# Allegro board 6089-119-RevA_41.brd (continued)
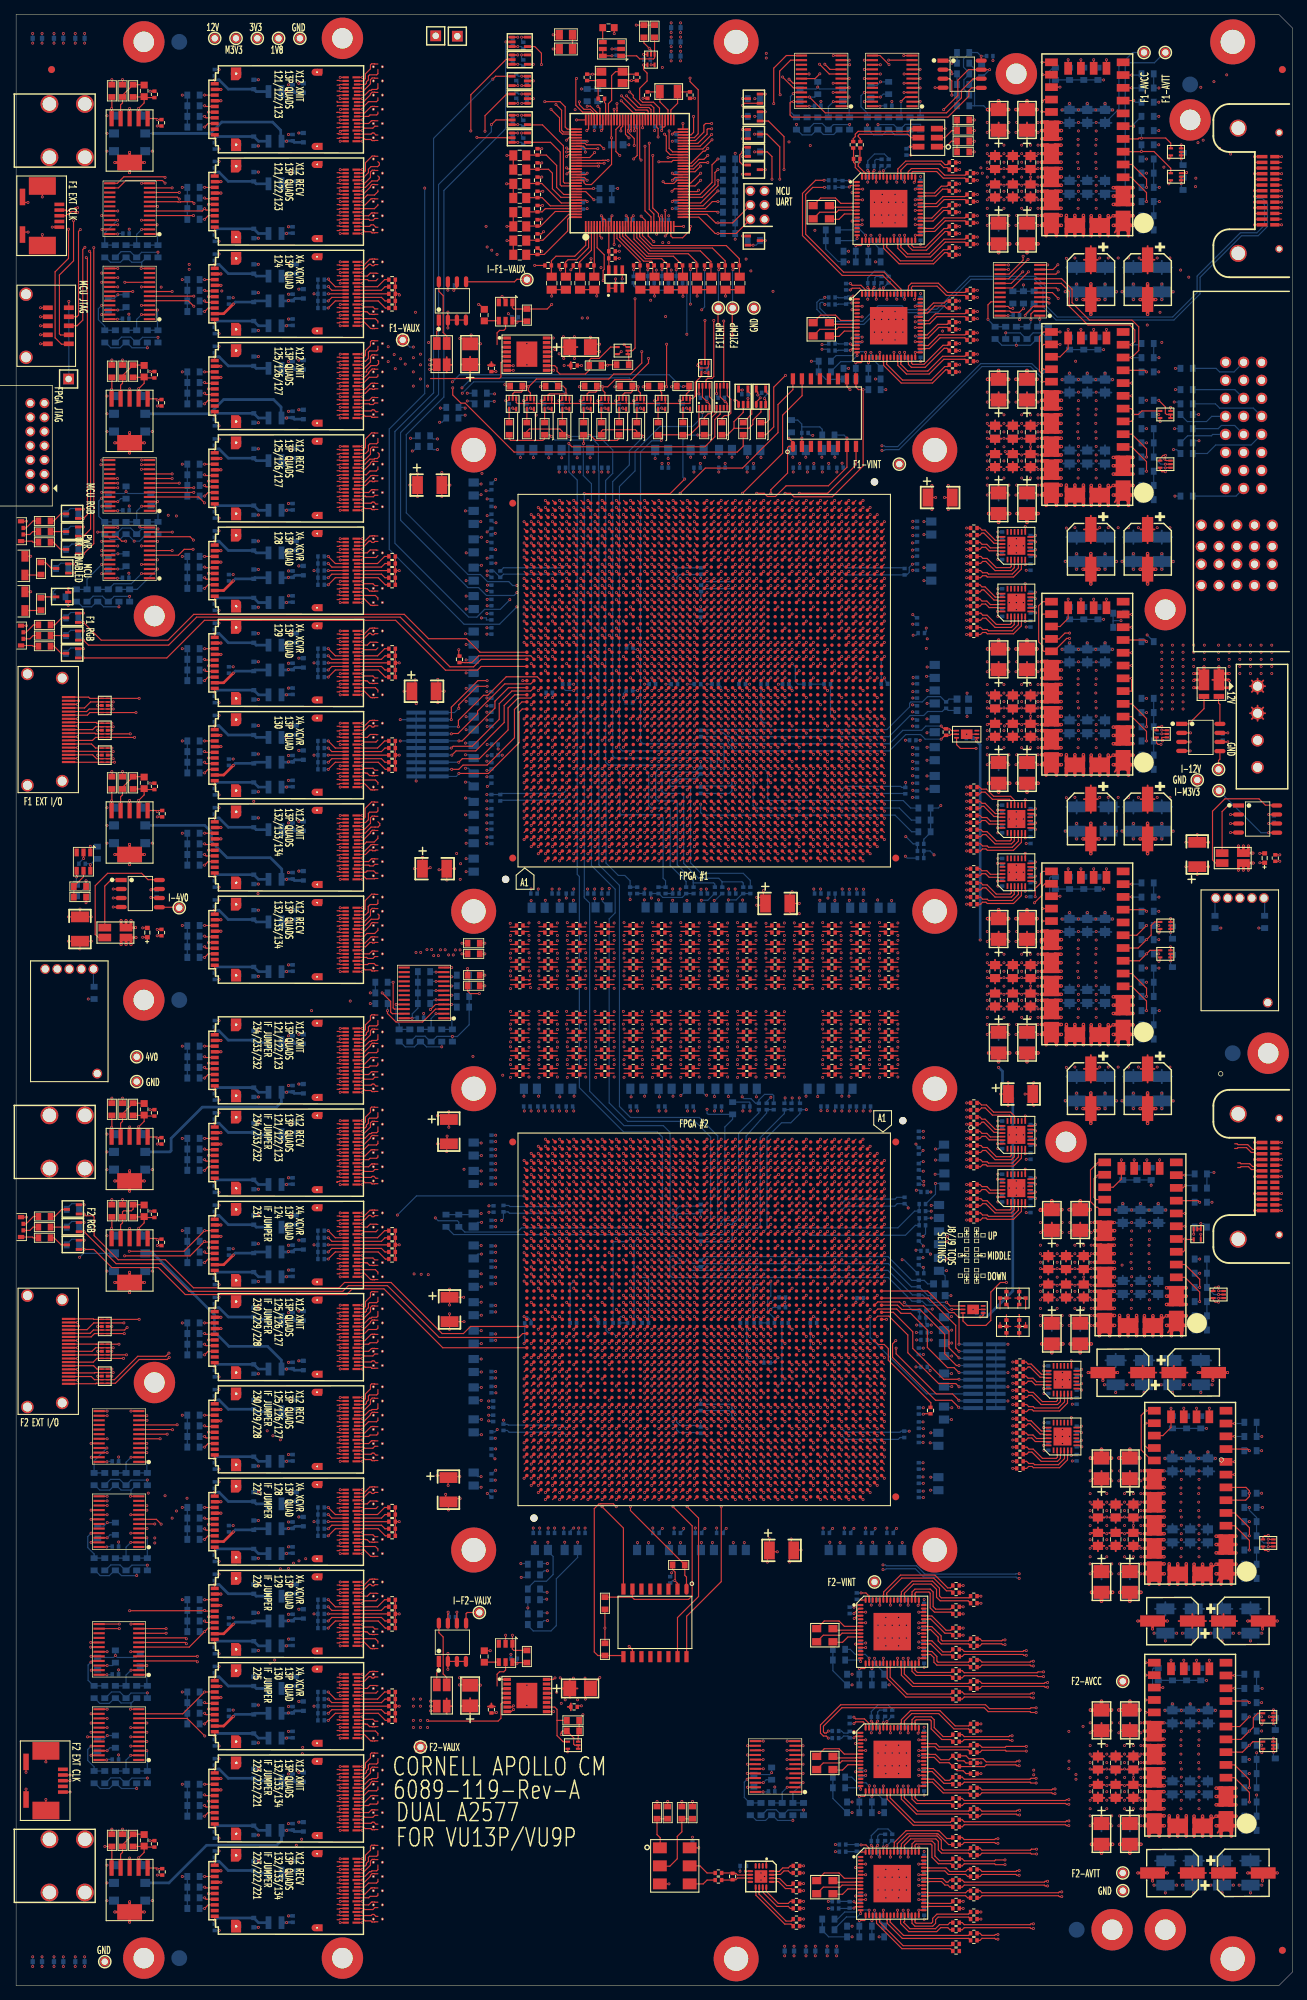
[diagram p0: board, top side]
## Routing (per net, layer and track width the routed paths; a pad name or vN(x,y) marks a point on that pad's centre or on a via; arc(x,y) is an arc through that point) (continued)
  BOTTOM w0.165: R273.1 v1(143.68,194.35)
AC_NF1L_X4_R0B: length 50.4
  TOP w0.165: U97.12 143.41,196.15 143.61,196.35 v1(143.68,196.35) ; C310.2 v1(133.01,233.4)
  SIG4 w0.083: v1(133.01,233.4) 133.01,233.68 132.9,233.79 132.34,233.79 132.11,233.56 132.11,233.14 132.54,232.71 133.26,232.71 134.31,233.76 135.59,233.76 139.21,230.14 139.21,227.21 138.61,226.61 138.61,212.44 139.1,211.95 139.1,199.45 142.55,196 143.6,196 143.68,196.09 v1(143.68,196.35)
  BOTTOM w0.165: R272.1 v1(143.68,196.35)
AC_NF1L_X12_R0_CLK: length 68.9
  TOP w0.165: U75.P34 v1(84.61,192.29) ; C365.2 v1(133.99,205.4)
  SIG3 w0.083: v1(133.99,205.4) 133.64,205.05 132.95,205.05 131.81,203.91 82.41,203.91 81.99,203.49 81.99,192.9 82.2,192.69 84.91,192.69 84.99,192.61 84.99,192.08 84.81,191.9 84.69,191.9 84.61,191.98 v1(84.61,192.29)
AC_NF1L_X12_R0A: length 55.1
  TOP w0.165: U96.8 143.41,202.15 143.61,202.35 v1(143.7,202.35) ; C304.2 v1(133.01,246.9)
  SIG1 w0.083: v1(133.01,246.9) 133.01,247.21 133.09,247.3 133.29,247.3 133.35,247.35 135.9,247.35 138.89,244.36 138.89,222.71 140.3,221.3 140.3,209.51 144.45,205.35 144.45,202.35 144.1,202 143.78,202 143.7,202.09 v1(143.7,202.35)
  BOTTOM w0.165: R271.1 v1(143.7,202.35)
AC_NF1L_X12_R0B: length 39.6
  TOP w0.165: U96.12 143.41,204.15 143.61,204.35 v1(143.7,204.35) ; C360.2 v1(135.51,234.9)
  SIG4 w0.083: v1(135.51,234.9) 135.27,235.14 134.94,235.14 134.86,235.06 134.86,234.64 135.09,234.41 136.79,234.41 140.61,230.59 140.61,226.52 140.59,226.5 140.59,226.22 140.61,226.2 140.61,223.3 140.6,223.29 140.6,223.01 140.61,223 140.61,222.99 140.81,222.79 140.81,211.7 140.7,211.59 140.7,211.31 140.81,211.2 140.81,210.4 140.6,210.19 140.6,209.91 140.81,209.7 140.81,207.65 140.74,207.58 140.74,207.3 140.81,207.23 140.81,206.24 143.05,204 143.62,204 143.7,204.09 v1(143.7,204.35)
  BOTTOM w0.165: R270.1 v1(143.7,204.35)
AC_NF1R_R0_B: length 58.3
  TOP w0.165: C395.2 v1(133.99,153.4) ; U75.AM12 v1(103.39,169.51)
  SIG3 w0.083: v1(103.39,169.51) 103.39,169.82 103.31,169.9 103.11,169.9 102.79,170.22 102.79,173.84 103.09,174.13 123.01,174.13 123.04,174.11 126.84,174.11 128,172.95 128,166.75 133.25,161.5 134.49,161.5 134.7,161.29 134.7,159.7 134.24,159.24 133.04,159.24 132.15,158.35 132.15,154.1 133.3,152.95 133.54,152.95 v1(133.99,153.4)
AC_NF1R_R0_E: length 61
  TOP w0.165: U75.AA10 v1(91.61,167.51) ; C387.2 v1(133.99,162.9)
  SIG3 w0.083: v1(133.99,162.9) 133.55,162.46 133.34,162.46 129,166.8 129,173.1 126.96,175.14 91.39,175.14 91.05,174.8 91.05,168.18 91.32,167.9 91.53,167.9 91.61,167.82 v1(91.61,167.51)
AC_NF1R_R0_F: length 63.4
  TOP w0.165: U75.W10 v1(89.61,167.51) ; C385.2 v1(133.99,164.9)
  SIG3 w0.083: v1(133.99,164.9) 133.6,164.5 133.19,164.5 130,167.7 130,173.9 127.79,176.11 122.91,176.11 122.9,176.1 89.4,176.1 89,175.7 89,168.23 89.32,167.9 89.53,167.9 89.61,167.82 v1(89.61,167.51)
AC_NF1R_R0_G: length 81.9
  TOP w0.165: U75.U10 v1(87.61,167.51) ; C393.2 v1(133.99,155.4)
  SIG3 w0.083: v1(87.61,167.51) 87.61,167.82 87.53,167.9 87.32,167.9 87,168.23 87,176.8 87.31,177.11 122.86,177.11 122.86,177.11 122.95,177.11 123.3,177.11 123.66,177.1 129.75,177.1 130.62,176.23 130.64,176.23 130.98,175.89 130.98,175.87 131,175.85 131,167.75 133.24,165.51 134.84,165.51 135.25,165.1 135.25,159 134.74,158.49 133.39,158.49 132.96,158.06 132.96,155.19 133.2,154.95 133.54,154.95 v1(133.99,155.4)
AC_NF1R_R0_I: length 72.8
  TOP w0.165: U75.N10 v1(83.61,167.51) ; C383.2 v1(133.99,166.9)
  SIG3 w0.083: v1(133.99,166.9) 133.6,166.51 133.19,166.51 132.1,167.6 132.1,176.65 130.61,178.14 86.34,178.14 86,177.8 86,174.37 85.73,174.1 83.3,174.1 83,173.8 83,168.23 83.32,167.9 83.53,167.9 83.61,167.82 v1(83.61,167.51)
AC_NF1R_R0_L: length 214.9
  TOP w0.165: U75.BD12 v1(115.39,169.51) ; C233.2 v1(111.01,11.9)
  SIG2 w0.083: v1(111.01,11.9) 111.01,11.71 110.75,11.45 110.51,11.45 110.3,11.24 110.3,10.75 111.44,9.61 119.29,9.61 119.48,9.8 137.5,9.8 147.11,19.41 147.11,65.39 137.95,74.55 137.95,155.4 126.25,167.1 115.2,167.1 115,167.3 115,169.71 115.19,169.9 115.31,169.9 115.39,169.82 v1(115.39,169.51)
AC_NF1R_R0_N: length 37.1
  TOP w0.165: U75.AY12 v1(111.39,169.51) ; C389.2 v1(133.99,160.9)
  SIG3 w0.083: v1(133.99,160.9) 133.59,160.5 133.3,160.5 127,166.8 127,172.9 126.79,173.11 123.01,173.11 123,173.1 111.1,173.1 110.8,172.8 110.8,170.21 111.11,169.9 111.31,169.9 111.39,169.82 v1(111.39,169.51)
AC_NF1R_R1_B: length 151.8
  TOP w0.165: C320.2 v1(133.51,49.4) ; U75.AL10 v1(102.39,167.51)
  SIG2 w0.083: v1(102.39,167.51) 102.39,167.82 102.31,167.9 102.19,167.9 102.01,167.72 102.01,162.39 102.25,162.15 123.25,162.15 132.01,153.39 132.01,129.09 133.5,127.6 133.5,67.65 138.95,62.2 138.95,52.25 136.5,49.8 133.8,49.8 133.79,49.8 133.59,49.8 133.51,49.71 v1(133.51,49.4)
AC_NF1R_R1_E: length 161.9
  TOP w0.165: U75.Y12 v1(90.61,169.51) ; C318.2 v1(133.51,52.4)
  SIG2 w0.083: v1(133.51,52.4) 133.51,52.71 133.59,52.8 133.79,52.8 133.9,52.9 137.49,52.9 137.7,53.11 137.7,61.05 132.5,66.25 132.5,127.05 128.55,131 128.55,148.65 126,151.2 126,157.99 122.84,161.15 111.56,161.15 111.55,161.14 111.24,161.14 111.22,161.15 109.56,161.15 109.51,161.1 90.53,161.1 90.24,161.39 90.24,169.73 90.41,169.9 90.53,169.9 90.61,169.82 v1(90.61,169.51)
AC_NF1R_R1_G: length 160.6
  TOP w0.165: U75.T12 v1(86.61,169.51) ; C414.2 v1(136.01,53.9)
  SIG2 w0.083: v1(86.61,169.51) 86.61,169.82 86.53,169.9 86.41,169.9 86.21,169.7 86.21,160.34 86.45,160.1 122.89,160.1 125,157.99 125,151.1 127.38,148.72 127.38,125.52 130.61,122.29 130.61,66.19 136.85,59.95 136.85,54.51 136.64,54.3 136.25,54.3 136.01,54.06 v1(136.01,53.9)
AC_NF1R_R1_I: length 162.4
  TOP w0.165: U75.M12 v1(82.61,169.51) ; C316.2 v1(133.51,55.4)
  SIG2 w0.083: v1(82.61,169.51) 82.61,169.82 82.53,169.9 82.41,169.9 82.26,169.75 82.26,161.35 82.26,161.35 82.26,159.34 82.5,159.1 122.89,159.1 124,157.99 124,151.1 125.5,149.6 125.5,134.4 126.6,133.3 126.6,124.95 127.5,124.05 127.5,67.45 134.61,60.34 134.61,56.1 134.31,55.8 133.8,55.8 133.79,55.8 133.59,55.8 133.51,55.71 v1(133.51,55.4)
AC_NF1R_R1_L: length 180.8
  TOP w0.165: U75.BC10 v1(114.39,167.51) ; v1(143.85,18.57) 143.11,18.57 142.99,18.69 136.15,18.69 135.86,18.4 C432.2
  SIG2 w0.083: v1(114.39,167.51) 114.39,167.82 114.31,167.9 114.19,167.9 114,167.71 114,166.3 114.15,166.15 126.18,166.15 136.5,155.83 136.5,130.1 137.25,129.35 137.25,73.1 146,64.35 146,41.65 145.5,41.15 145.5,19.4 144.9,18.81 144.09,18.81 v1(143.85,18.57)
AC_NF1R_R1_N: length 162.9
  TOP w0.165: U75.AW10 v1(110.39,167.51) ; C326.2 133.36,40.4 133.65,40.69 142.94,40.69 143.06,40.57 v1(143.4,40.57)
  SIG2 w0.083: v1(110.39,167.51) 110.39,167.82 110.31,167.9 110.19,167.9 110.01,167.72 110.01,165.39 110.29,165.11 125.64,165.11 133.77,156.98 134.23,156.98 135.46,155.75 135.46,129.89 136.5,128.85 136.5,71.7 144,64.2 144,53.65 144.03,53.62 144.03,44.39 144.03,44.38 144.03,44.08 144.03,44.07 144.03,43.73 144.03,43.72 144.03,43.42 144.03,43.41 144.03,41 143.83,40.8 143.63,40.8 v1(143.4,40.57)
AC_NF1R_X4_R0_CLK: length 82.2
  TOP w0.165: C391.2 v1(133.99,157.4) ; U75.N18 v1(83.61,175.51)
  SIG3 w0.083: v1(83.61,175.51) 83.61,175.82 83.53,175.9 83.25,175.9 83,176.15 83,179.85 83.29,180.14 132.21,180.14 135.96,176.39 135.96,158.7 135.1,157.84 133.69,157.84 133.61,157.76 133.61,157.13 133.69,157.05 133.8,157.05 133.99,157.24 v1(133.99,157.4)
AC_NF1R_X4_R0A: length 105.7
  TOP w0.165: C302.2 v1(133.01,249.9) ; U99.8 143.41,156.15 143.61,156.35 v1(143.68,156.35)
  SIG1 w0.083: v1(133.01,249.9) 133.01,250.21 133.09,250.3 133.29,250.3 133.3,250.3 134.45,250.3 134.85,249.9 136.66,249.9 136.67,249.89 137.13,249.89 137.14,249.9 137.3,249.9 143.49,243.71 143.49,234.36 145.14,232.71 145.14,209.86 145.89,209.11 145.89,193.89 145.44,193.44 145.44,171.84 144.64,171.04 144.64,156.34 144.3,156 144.03,156 v1(143.68,156.35)
  BOTTOM w0.165: R277.1 v1(143.68,156.35)
AC_NF1R_X4_R0B: length 84.8
  TOP w0.165: C312.2 v1(133.01,230.4) ; U99.12 143.41,158.15 143.61,158.35 v1(143.68,158.35)
  SIG4 w0.083: v1(133.01,230.4) 133.01,230.63 132.9,230.74 132.39,230.74 132.21,230.56 132.21,230.04 132.29,229.95 133.8,229.95 134.36,230.51 135.89,230.51 136.37,230.03 136.37,163.43 141.8,158 143.6,158 143.68,158.09 v1(143.68,158.35)
  BOTTOM w0.165: R276.1 v1(143.68,158.35)
AC_NF1R_X12_R0_CLK: length 64.3
  TOP w0.165: U75.R17 v1(85.61,174.51) ; C381.2 v1(133.99,168.9)
  SIG3 w0.083: v1(133.99,168.9) 133.99,168.59 133.9,168.5 133.74,168.5 133,169.24 133,177.3 131.2,179.1 85.3,179.1 85.03,178.83 85.03,175.2 85.32,174.9 85.5,174.9 85.61,174.79 v1(85.61,174.51)
AC_NF1R_X12_R0A: length 89.3
  TOP w0.165: v1(143.7,163.85) 143.61,163.85 143.41,163.65 U98.8 ; C356.2 v1(135.51,245.4)
  SIG1 w0.083: v1(143.7,163.85) 143.7,163.59 143.78,163.5 143.9,163.5 144.09,163.7 144.09,163.96 143.68,164.37 143.28,164.37 137.64,170.01 137.64,244.06 135.9,245.8 135.6,245.8 135.51,245.71 v1(135.51,245.4)
  BOTTOM w0.165: R275.1 v1(143.7,163.85)
AC_NF1R_X12_R0B: length 74.8
  TOP w0.165: v1(143.7,165.85) 143.61,165.85 143.41,165.65 U98.12 ; C362.2 v1(135.51,231.9)
  SIG4 w0.083: v1(143.7,165.85) 143.7,165.59 143.62,165.5 142.75,165.5 137.65,170.6 137.65,230.1 136.44,231.31 135.29,231.31 134.91,231.69 134.91,232.06 135.07,232.22 135.5,232.22 135.51,232.21 v1(135.51,231.9)
  BOTTOM w0.165: R274.1 v1(143.7,165.85)
AC_NF2_TCDS40_CLK: length 126.6
  TOP w0.165: U77.AR16 v1(87.61,104.29) ; C330.2 133.31,30.9 133.32,30.89 136.5,30.89 136.75,31.13 140.94,31.13 141.06,31.01 v1(141.4,31.01)
  SIG4 w0.083: v1(141.4,31.01) 141.63,31.24 141.83,31.24 142.03,31.44 142.03,38.77 142,38.8 142,62.95 130.5,74.45 130.5,94.9 124.49,100.91 88.44,100.91 88.2,101.15 88.2,103.59 87.89,103.9 87.69,103.9 87.61,103.98 v1(87.61,104.29)
AC_NF2_XTAL_200: length 166.4
  TOP w0.165: U77.AU16 v1(85.61,104.29) ; C235.2 v1(111.01,9.4)
  SIG4 w0.083: v1(85.61,104.29) 85.76,104.29 86,104.05 86,100.05 86.35,99.7 123.9,99.7 129.35,94.25 129.35,73.55 140.79,62.11 140.79,21.44 125.56,6.21 115.99,6.21 113.15,9.05 111.25,9.05 111.01,9.29 v1(111.01,9.4)
AC_NF2L_R0_AB: length 155.6
  TOP w0.165: U77.BD40 v1(78.61,79.51) ; C346.2 133.36,7.9 133.65,8.19 142.94,8.19 143.06,8.07 v1(143.4,8.07)
  SIG1 w0.083: v1(143.4,8.07) 143.17,8.3 142.97,8.3 142.77,8.5 142.77,21.17 142.79,21.19 142.79,61.26 131.29,72.76 131.29,83.31 125.7,88.9 79.4,88.9 79.2,88.7 79.2,80.21 78.89,79.9 78.69,79.9 78.61,79.82 v1(78.61,79.51)
AC_NF2L_R0_AD: length 64.1
  TOP w0.165: U77.AY40 v1(82.61,79.51) ; C467.2 v1(140.49,85.9)
  SIG3 w0.083: v1(82.61,79.51) 82.61,79.82 82.53,79.9 82.32,79.9 82,80.23 82,81.75 82.35,82.1 135.95,82.1 139.36,85.5 140.41,85.5 140.49,85.59 v1(140.49,85.9)
AC_NF2L_R0_AF: length 61.7
  TOP w0.165: C479.2 v1(140.49,73.9) ; U77.AT40 v1(86.61,79.51)
  SIG3 w0.083: v1(140.49,73.9) 140.49,73.8 140.2,73.51 139.79,73.51 138.23,75.06 112.66,75.06 112.63,75.09 112.15,75.09 112.13,75.06 110.66,75.06 110.63,75.09 110.15,75.09 110.13,75.06 87.38,75.06 87.37,75.06 86.84,75.06 86.84,75.06 86.48,75.06 86.21,75.34 86.21,79.81 86.3,79.9 86.53,79.9 86.61,79.82 v1(86.61,79.51)
AC_NF2L_R0_R: length 54.4
  TOP w0.165: C469.2 v1(140.49,83.9) ; U77.AM40 v1(90.61,79.51)
  SIG3 w0.083: v1(90.61,79.51) 90.61,79.82 90.53,79.9 90.32,79.9 90.12,80.11 90.12,80.75 90.47,81.1 136.95,81.1 139.36,83.51 140.15,83.51 140.49,83.85 v1(140.49,83.9)
AC_NF2L_R0_U: length 42.6
  TOP w0.165: C477.2 v1(140.49,75.9) ; U77.AA42 v1(102.39,77.51)
  SIG3 w0.083: v1(102.39,77.51) 102.39,77.82 102.31,77.9 102.19,77.9 101.95,77.66 101.95,76.46 102.27,76.14 138.96,76.14 139.64,75.46 140.45,75.46 140.49,75.5 v1(140.49,75.9)
AC_NF2L_R0_V: length 39.2
  TOP w0.165: C475.2 v1(140.49,77.9) ; U77.W42 v1(104.39,77.51)
  SIG3 w0.083: v1(140.49,77.9) 140.49,77.65 140.35,77.51 139.31,77.51 138.91,77.11 104.29,77.11 104.11,77.29 104.11,77.82 104.19,77.9 104.31,77.9 104.39,77.82 v1(104.39,77.51)
AC_NF2L_R0_Y: length 34.8
  TOP w0.165: U77.N42 v1(110.39,77.51) ; C471.2 v1(140.49,81.9)
  SIG3 w0.083: v1(140.49,81.9) 140.49,81.7 140.3,81.51 139.66,81.51 137.25,79.1 110.2,79.1 109.85,78.75 109.85,78.16 110.11,77.9 110.31,77.9 110.39,77.82 v1(110.39,77.51)
AC_NF2L_R1_AD: length 120
  TOP w0.165: C424.2 135.86,32.9 136.15,33.19 139.44,33.19 139.56,33.07 v1(142.41,33.07) ; U77.AW42 v1(83.61,77.51)
  SIG1 w0.083: v1(142.41,33.07) 142.18,33.3 141.98,33.3 141.79,33.48 141.79,60.21 130.29,71.71 130.29,82.81 126.21,86.89 84.29,86.89 84.2,86.8 84.2,78.21 83.89,77.9 83.69,77.9 83.61,77.82 v1(83.61,77.51)
AC_NF2L_R1_AF: length 129.8
  TOP w0.165: v1(141.4,15.57) 141.06,15.57 140.94,15.69 136.15,15.69 135.86,15.4 C434.2 ; U77.AR42 v1(87.61,77.51)
  SIG1 w0.083: v1(141.4,15.57) 141.17,15.8 140.97,15.8 140.77,16 140.77,21.03 140.79,21.05 140.79,59.16 129.29,70.66 129.29,82.31 125.71,85.89 88.44,85.89 88.2,85.65 88.2,78.21 87.89,77.9 87.69,77.9 87.61,77.82 v1(87.61,77.51)
AC_NF2L_R1_R: length 105.9
  TOP w0.165: C328.2 133.36,34.4 133.65,34.69 139.94,34.69 140.06,34.57 v1(140.4,34.57) ; U77.AL42 v1(91.61,77.51)
  SIG1 w0.083: v1(140.4,34.57) 140.17,34.8 139.21,34.8 138.09,35.91 138.09,59.81 128.29,69.61 128.29,81.81 125.21,84.89 92.49,84.89 92.2,84.6 92.2,78.21 91.89,77.9 91.69,77.9 91.61,77.82 v1(91.61,77.51)
AC_NF2L_R1_U: length 105.6
  TOP w0.165: v1(139.4,17.07) 138.06,17.07 137.94,17.19 133.65,17.19 133.36,16.9 C340.2 ; U77.Y40 v1(103.39,79.51)
  SIG1 w0.083: v1(139.4,17.07) 139.22,17.25 138.4,17.25 136.64,19.01 136.64,59.01 127.29,68.36 127.29,80.81 124.21,83.89 104.19,83.89 103.95,83.65 103.95,80.18 103.68,79.9 103.47,79.9 103.39,79.82 v1(103.39,79.51)
AC_NF2L_R1_Y: length 69.2
  TOP w0.165: U77.M40 v1(111.39,79.51) ; C422.2 v1(136.01,35.9)
  SIG1 w0.083: v1(136.01,35.9) 136.01,36.21 135.92,36.3 134.91,36.3 134.1,37.1 134.1,39.85 126.29,47.66 126.29,80.31 123.68,82.93 112.22,82.93 112,82.7 112,80.23 111.68,79.9 111.47,79.9 111.39,79.82 v1(111.39,79.51)
AC_NF2L_X4_R0_CLK: length 41.7
  TOP w0.165: U77.M32 v1(111.39,87.51) ; C473.2 v1(140.49,79.9)
  SIG3 w0.083: v1(140.49,79.9) 140.49,79.59 140.58,79.5 141.02,79.5 141.15,79.63 141.15,88 140.75,88.4 137.9,88.4 137.39,87.89 111.09,87.89 111,87.8 111,87.59 111.08,87.51 v1(111.39,87.51)
AC_NF2L_X4_R0A: length 199.3
  TOP w0.165: v1(150.18,76.85) 150.11,76.85 149.91,76.65 U104.8 ; C350.2 v1(135.51,254.4)
  SIG1 w0.083: v1(150.18,76.85) 150.19,76.59 150.28,76.51 150.4,76.52 151.42,76.52 152.34,77.44 152.34,81.72 154.5,83.88 154.5,91.74 154.15,92.09 154.15,107.85 154.39,108.09 154.39,126.02 153.24,127.16 153.24,150.69 152.69,151.24 152.69,158.16 152.09,158.76 152.09,163.89 153.19,164.99 153.19,173.66 152.69,174.16 152.69,198.04 153.94,199.29 153.94,201.86 153.3,202.5 153.3,211.35 152.69,211.96 152.69,236.16 149.89,238.96 149.89,246.46 148.69,247.66 148.69,251.51 147.91,252.29 146.66,252.29 144.76,254.19 136.31,254.19 135.71,254.8 135.59,254.8 135.51,254.71 v1(135.51,254.4)
  BOTTOM w0.165: R260.1 v1(150.18,76.85)
AC_NF2L_X4_R0B: length 171.5
  TOP w0.165: v1(150.18,78.85) 150.11,78.85 149.91,78.65 U104.12 ; C358.2 v1(135.51,237.9)
  SIG4 w0.083: v1(150.18,78.85) 150.18,78.59 150.26,78.5 150.66,78.5 151.09,78.94 151.09,84.77 153.05,86.73 153.05,117.16 147,123.21 147,133.4 146,134.4 146,228.3 136,238.3 135.59,238.3 135.51,238.21 v1(135.51,237.9)
  BOTTOM w0.165: R259.1 v1(150.18,78.85)
AC_NF2L_X12_R0_CLK: length 35.3
  TOP w0.165: C465.2 v1(140.49,87.9) ; U77.P34 v1(109.39,85.51)
  SIG3 w0.083: v1(140.49,87.9) 140.49,87.59 140.41,87.5 139.71,87.5 137.29,85.09 109.21,85.09 109,85.3 109,85.71 109.19,85.9 109.31,85.9 109.39,85.82 v1(109.39,85.51)
AC_NF2L_X12_R0A: length 190.2
  TOP w0.165: v1(150.2,84.85) 150.11,84.85 149.91,84.65 U103.8 ; C300.2 v1(133.01,252.9)
  SIG1 w0.083: v1(150.2,84.85) 150.2,84.59 150.28,84.5 150.4,84.5 153.09,87.2 153.09,121.16 150.94,123.31 150.94,136.95 149.89,138 149.61,138 149.09,138.51 149.09,161.21 148.93,161.36 148.93,164.68 149.77,165.52 149.77,173.67 150.39,174.29 150.39,195.15 150.47,195.23 150.47,195.53 150.39,195.61 150.39,195.92 151.9,197.42 151.9,211.76 150.39,213.26 150.39,232.06 148.3,234.15 148.3,243.16 148.55,243.41 148.55,245.19 145.75,247.99 145.75,251.1 144.6,252.25 136.65,252.25 135.6,253.3 133.3,253.3 133.29,253.3 133.09,253.3 133.01,253.21 v1(133.01,252.9)
  BOTTOM w0.165: R258.1 v1(150.2,84.85)
AC_NF2L_X12_R0B: length 168
  TOP w0.165: U103.12 149.91,86.65 150.11,86.85 v1(150.2,86.85) ; C308.2 v1(133.01,236.4)
  SIG4 w0.083: v1(133.01,236.4) 133.01,236.53 132.8,236.74 132.59,236.74 132.21,236.36 132.21,236.04 132.74,235.5 133.15,235.5 134.66,237.01 136.29,237.01 145.26,228.04 145.26,209.15 144.85,208.74 144.85,193.11 143.41,191.66 143.41,189.11 142.5,188.2 142.5,169.75 145.46,166.79 145.46,133.12 145.76,132.83 145.76,132.37 145.51,132.12 145.51,95.84 146.81,94.54 146.81,89.19 149.49,86.5 150.12,86.5 150.2,86.59 v1(150.2,86.85)
  BOTTOM w0.165: R257.1 v1(150.2,86.85)
AC_NF2R_R0_B: length 47.1
  TOP w0.165: U77.AM12 v1(90.61,108.29) ; C407.2 v1(133.99,112.9)
  SIG3 w0.083: v1(133.99,112.9) 133.99,112.65 133.8,112.46 127.76,112.46 123.2,107.9 90.69,107.9 90.61,107.98 v1(90.61,108.29)
AC_NF2R_R0_E: length 39.9
  TOP w0.165: U77.AA10 v1(102.39,110.29) ; C399.2 v1(133.99,122.4)
  SIG3 w0.083: v1(102.39,110.29) 102.39,109.98 102.47,109.9 102.59,109.9 102.79,110.1 102.79,112.69 103.02,112.92 123.72,112.92 132.81,122 133.91,122 133.99,122.09 v1(133.99,122.4)
AC_NF2R_R0_F: length 36.5
  TOP w0.165: U77.W10 v1(104.39,110.29) ; C401.2 v1(133.99,120.4)
  SIG3 w0.083: v1(104.39,110.29) 104.39,109.98 104.47,109.9 104.59,109.9 104.79,110.1 104.79,111.59 105.11,111.91 124.21,111.91 132.31,120 133.91,120 133.99,120.09 v1(133.99,120.4)
AC_NF2R_R0_I: length 28.8
  TOP w0.165: C403.2 v1(133.99,118.4) ; U77.N10 v1(110.39,110.29)
  SIG3 w0.083: v1(133.99,118.4) 133.99,118.09 133.91,118 131.81,118 123.7,109.9 110.47,109.9 110.39,109.98 v1(110.39,110.29)
AC_NF2R_R0_L: length 171.3
  TOP w0.165: U77.BD12 v1(78.61,108.29) ; C231.2 v1(111.01,14.4)
  SIG4 w0.083: v1(78.61,108.29) 78.61,107.98 78.69,107.9 78.89,107.9 79.21,107.58 79.21,97.09 79.39,96.91 122.99,96.91 126.5,93.4 126.5,67.95 131.96,62.49 131.96,14.36 125.34,7.74 115.71,7.74 110.25,13.2 110.25,13.8 110.46,14 110.92,14 111.01,14.09 v1(111.01,14.4)
AC_NF2R_R0_N: length 63.1
  TOP w0.165: C397.2 v1(133.99,124.4) ; U77.AY12 v1(82.61,108.29)
  SIG3 w0.083: v1(82.61,108.29) 82.61,107.98 82.69,107.9 82.81,107.9 82.99,108.08 82.99,113.54 83.36,113.91 123.21,113.91 133.31,124 133.91,124 133.99,124.09 v1(133.99,124.4)
AC_NF2R_R0_P: length 51.3
  TOP w0.165: C409.2 v1(133.99,110.9) ; U77.AT12 v1(86.61,108.29)
  SIG3 w0.083: v1(86.61,108.29) 86.61,107.98 86.69,107.9 86.89,107.9 87.25,107.54 87.25,107.15 87.5,106.9 124,106.9 127.61,110.51 133.95,110.51 133.99,110.55 v1(133.99,110.9)
AC_NF2R_R1_B: length 115.9
  TOP w0.165: U77.AL10 v1(91.61,110.29) ; C418.2 135.86,44.9 136.15,45.19 142.94,45.19 143.06,45.07 v1(143.4,45.07)
  SIG4 w0.083: v1(91.61,110.29) 91.61,109.98 91.69,109.9 91.89,109.9 92.2,109.59 92.2,103.1 92.39,102.91 125.49,102.91 132.5,95.9 132.5,76.15 144.5,64.15 144.5,45.97 143.83,45.3 143.63,45.3 v1(143.4,45.07)
AC_NF2R_R1_E: length 108.3
  TOP w0.165: C324.2 133.36,43.4 133.65,43.69 143.94,43.69 144.06,43.57 v1(144.82,43.57) ; U77.Y12 v1(103.39,108.29)
  SIG4 w0.083: v1(103.39,108.29) 103.39,107.98 103.47,107.9 103.68,107.9 104,107.57 104,104.05 104.15,103.9 126,103.9 133.5,96.4 133.5,76.7 145.7,64.5 145.7,44.1 145.4,43.8 145.05,43.8 v1(144.82,43.57)
AC_NF2R_R1_I: length 100.9
  TOP w0.165: U77.M12 v1(111.39,108.29) ; v1(145.4,42.07) 145.06,42.07 144.94,42.19 136.15,42.19 135.86,41.9 C420.2
  SIG4 w0.083: v1(111.39,108.29) 111.39,107.98 111.47,107.9 111.68,107.9 112,107.57 112,105.1 112.2,104.9 126.5,104.9 134.5,96.9 134.5,77.85 146.75,65.6 146.75,42.85 146.2,42.3 145.63,42.3 v1(145.4,42.07)
AC_NF2R_R1_L: length 146.6
  TOP w0.165: C338.2 133.36,19.9 133.65,20.19 137.94,20.19 138.06,20.07 v1(138.4,20.07) ; U77.BC10 v1(79.61,110.29)
  SIG4 w0.083: v1(79.61,110.29) 79.61,109.98 79.69,109.9 79.89,109.9 80.2,109.59 80.2,98.1 80.4,97.9 123,97.9 127.5,93.4 127.5,68.65 138.65,57.5 138.65,48.29 139.15,47.79 139.15,20.62 138.83,20.3 138.63,20.3 v1(138.4,20.07)
AC_NF2R_R1_N: length 113.7
  TOP w0.165: U77.AW10 v1(83.61,110.29) ; C416.2 135.86,47.9 136.15,48.19 138.94,48.19 139.06,48.07 v1(139.4,48.07)
  SIG4 w0.083: v1(83.61,110.29) 83.61,109.98 83.69,109.9 83.89,109.9 84.2,109.59 84.2,99.1 84.4,98.9 123.5,98.9 128.5,93.9 128.5,73.05 140,61.55 140,49.8 140.03,49.77 140.03,48.5 139.83,48.3 139.63,48.3 v1(139.4,48.07)
AC_NF2R_R1_P: length 118.8
  TOP w0.165: U77.AR10 v1(87.61,110.29) ; v1(142.4,46.57) 142.06,46.57 141.94,46.69 133.65,46.69 133.36,46.4 C322.2
  SIG4 w0.083: v1(87.61,110.29) 87.61,109.98 87.69,109.9 89,109.9 89.25,109.65 89.25,109.46 89.24,109.45 89.24,109.14 89.25,109.12 89.25,102.15 89.52,101.87 122.88,101.87 122.91,101.91 124.99,101.91 131.45,95.45 131.45,75.4 142.93,63.92 142.93,47.49 143.03,47.39 143.03,46.99 142.83,46.8 142.63,46.8 v1(142.4,46.57)
AC_NF2R_X4_R0_CLK: length 28
  TOP w0.165: C411.2 v1(133.99,108.9) ; U77.N18 v1(110.39,102.29)
  SIG3 w0.083: v1(133.99,108.9) 133.6,108.51 132.81,108.51 126.2,101.9 110.47,101.9 110.39,101.98 v1(110.39,102.29)
AC_NF2R_X4_R0A: length 153.1
  TOP w0.165: U101.8 143.41,111.65 143.61,111.85 v1(143.68,111.85) ; C352.2 v1(135.51,251.4)
  SIG1 w0.083: v1(143.68,111.85) 143.69,111.59 143.77,111.51 143.89,111.51 144.37,111.51 145.55,112.7 145.55,167.15 148.54,170.14 148.54,174.71 147.85,175.4 147.85,194.86 147.3,195.41 147.3,208.9 146.05,210.15 146.05,244.95 139.95,251.05 136.5,251.05 136.15,251.4 136.15,251.72 136.07,251.8 135.8,251.8 135.79,251.8 135.59,251.8 135.51,251.71 v1(135.51,251.4)
  BOTTOM w0.165: R281.1 v1(143.68,111.85)
AC_NF2R_X4_R0B: length 123.2
  TOP w0.165: U101.12 143.41,113.65 143.61,113.85 v1(143.68,113.85) ; C314.2 v1(133.01,227.4)
  SIG4 w0.083: v1(133.01,227.4) 133.01,227.73 133,227.74 132.5,227.74 132.4,227.64 132.4,227.05 133.45,226 133.45,159.8 137.96,155.29 137.96,117.44 141.89,113.5 143.6,113.5 143.68,113.59 v1(143.68,113.85)
  BOTTOM w0.165: R280.1 v1(143.68,113.85)
AC_NF2R_X12_R0_CLK: length 43.1
  TOP w0.165: C405.2 v1(133.99,116.4) ; U77.R17 v1(108.39,103.29)
  SIG3 w0.083: v1(133.99,116.4) 133.99,116.05 133.9,115.96 133.36,115.96 132.9,115.5 132.9,114.6 134.89,112.61 134.89,107.09 128.68,100.87 109.27,100.87 108.96,101.19 108.96,102.61 108.68,102.9 108.47,102.9 108.39,102.98 v1(108.39,103.29)
AC_NF2R_X12_R0A: length 133.6
  TOP w0.165: v1(143.7,119.35) 143.61,119.35 143.41,119.15 U100.8 ; C306.2 v1(133.01,243.9)
  SIG1 w0.083: v1(133.01,243.9) 133.01,244.21 133.09,244.3 133.29,244.3 133.3,244.3 133.66,244.3 133.74,244.22 133.74,229.16 135.69,227.21 135.69,216.12 135.7,216.12 135.7,164.4 137.84,162.26 137.84,162.22 138.16,161.89 138.21,161.89 142.79,157.31 142.79,152.16 143.14,151.81 143.14,145.76 143.44,145.46 143.44,132.91 144.49,131.86 144.49,119.6 143.9,119 143.78,119 143.7,119.09 v1(143.7,119.35)
  BOTTOM w0.165: R279.1 v1(143.7,119.35)
AC_NF2R_X12_R0B: length 115.4
  TOP w0.165: v1(143.7,121.35) 143.61,121.35 143.41,121.15 U100.12 ; C364.2 v1(135.51,228.9)
  SIG4 w0.083: v1(143.7,121.35) 142.24,121.35 141.88,121.71 141.88,125.5 141.88,125.51 141.88,135.77 141.31,136.34 141.31,145.09 139.3,147.1 139.3,158.9 134.7,163.5 134.7,228.95 134.99,229.24 135.2,229.24 135.51,228.93 v1(135.51,228.9)
  BOTTOM w0.165: R278.1 v1(143.7,121.35)
AC_NHQ_CLK_IN: length 2.9
  TOP w0.165: U91.64 119.21,18.85 v1(119.11,18.95)
  BOTTOM w0.165: C838.2 118.45,18.9 R338.2 v1(119.11,18.95)
AC_NLHC_CLK_IN: length 3.3
  TOP w0.165: U87.2 118.31,237.15 118.3,237.14 117.8,237.14 117.76,237.1 v1(117.81,237.1)
  BOTTOM w0.165: v1(117.81,237.1) 117.15,237.1 R355.2 115.91,236.95 115.86,236.9 C849.2
AC_NNO_F2_TCDS40_CLK: length 34.4
  TOP w0.165: C426.2 v1(136.01,29.9) ; U89.2 118.78,53.15 118.11,52.47 v1(118.11,52.45)
  SIG1 w0.083: v1(118.11,52.45) 118.11,52.71 118.19,52.8 118.39,52.8 118.5,52.9 118.7,52.9 119.15,52.45 119.15,50.15 133.55,35.75 133.55,31.45 134.45,30.55 135.92,30.55 136.01,30.46 v1(136.01,29.9)
  BOTTOM w0.165: R350.2 v1(118.11,52.45)
AC_NR0_FP_CLK: length 3.2
  TOP w0.165: U87.15 118.12,230.65 118.08,230.69 117.85,230.69 v1(117.61,230.45)
  BOTTOM w0.165: C851.2 115.86,230.4 115.91,230.45 R356.2 v1(117.61,230.45)
AC_NR0_OSC: length 4.7
  TOP w0.165: U86.63 119.75,255.34 119.55,255.55 118.71,256.38 118.71,256.7 118.95,256.94 R139.1 118.95,258.9 C262.2
AC_NR0A_FB: length 6.1
  TOP w0.165: U86.62 120.25,255.54 120.28,255.57 v1(120.05,255.79)
  BOTTOM w0.165: C806.2 123,257.5 122.4,258.1 121,258.1 120.05,257.15 R333.2 v1(120.05,255.79)
AC_NR0B_FB: length 6.1
  TOP w0.165: v1(120.05,239.29) 120.28,239.07 120.25,239.04 U87.62
  BOTTOM w0.165: v1(120.05,239.29) R334.2 120.05,240.65 121,241.6 122.4,241.6 123,241 C807.2
AC_NR1_FP_CLK: length 3.2
  TOP w0.165: U91.15 118.31,11.15 v1(118.11,10.95)
  BOTTOM w0.165: v1(118.11,10.95) R353.2 117.45,10.9 C844.2
AC_NR1A_FB: length 6.1
  TOP w0.165: v1(120.55,19.79) 120.78,19.57 120.75,19.54 U91.62
  BOTTOM w0.165: v1(120.55,19.79) R331.2 120.55,21.15 121.5,22.1 122.9,22.1 123.5,21.5 C803.2
